# Allegro board IMC-IO_A-IN_A2.brd (continued)
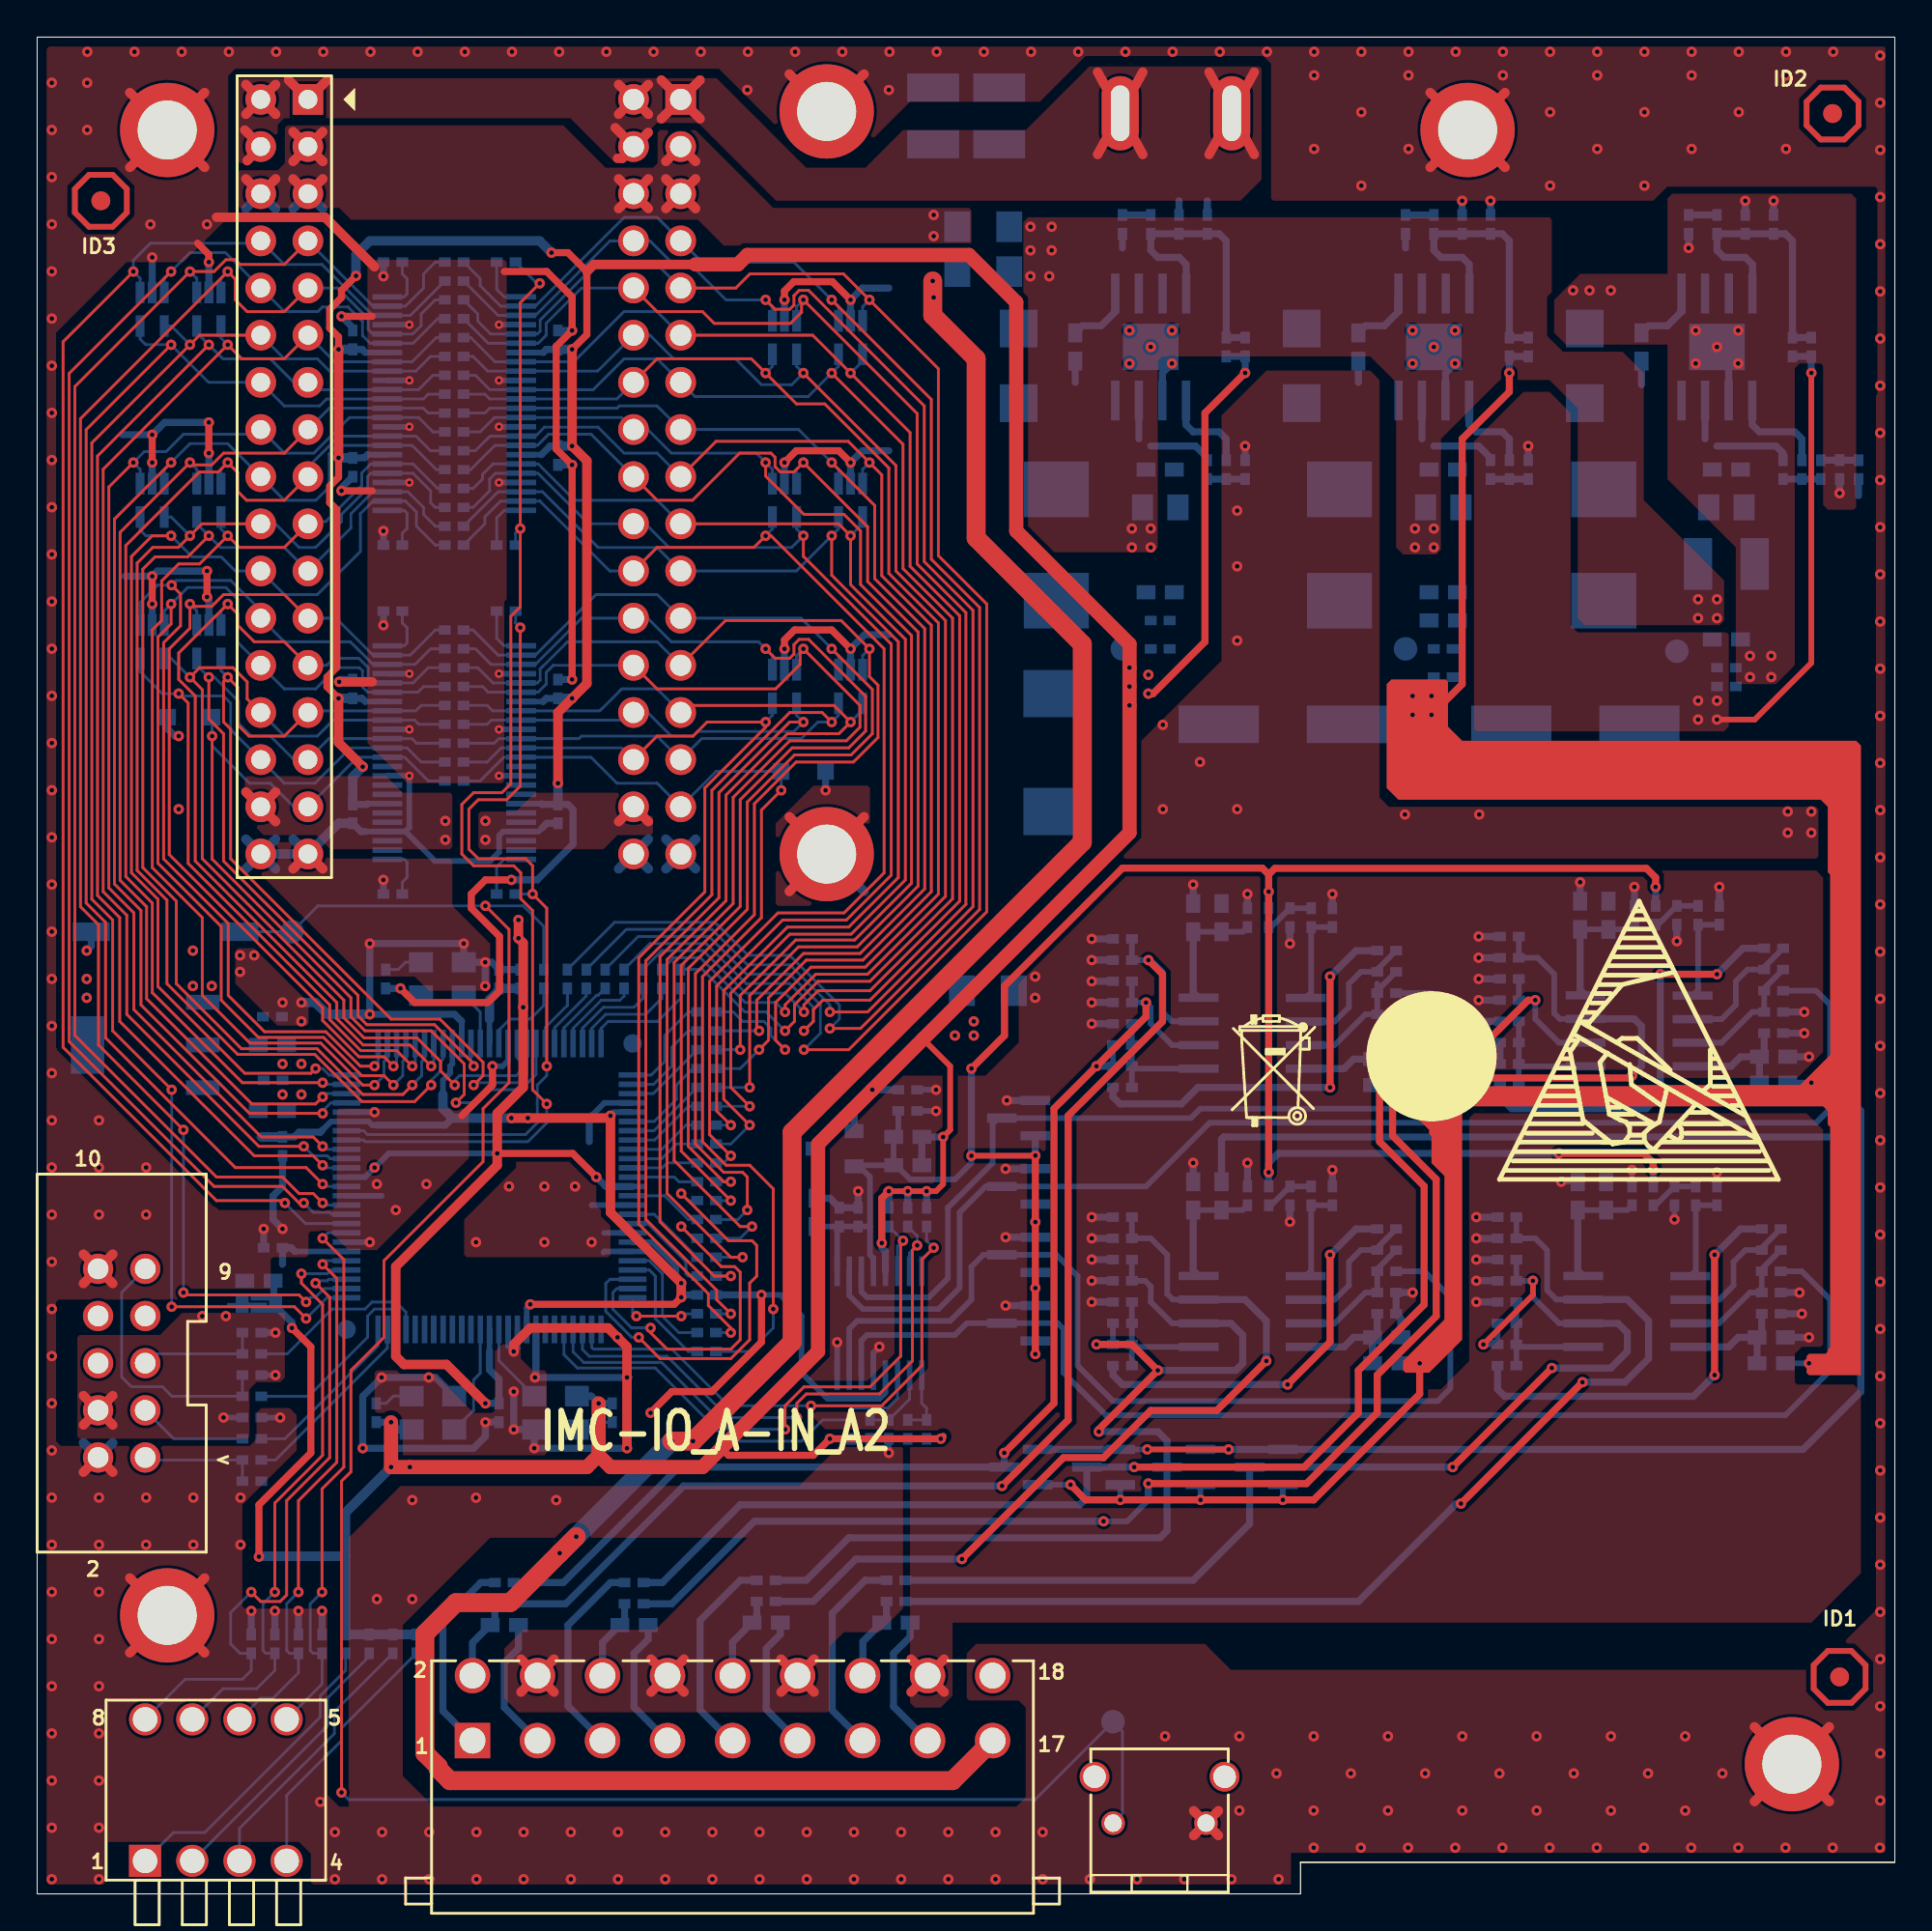
[diagram p0: board, top side]
## Copper pours and planes (outline as drawn; the poured copper is in the pictures) (continued)
VDD_-12V on BOTTOM: 63.5,37.97 63.25,38.23 63.25,41.15 63.37,41.27 97.03,41.27 97.54,41.78 97.54,54.99 97.28,55.24 85.47,55.24 85.34,55.12 85.34,53.21 85.09,52.96 84.45,52.96 84.2,53.21 84.2,55.5 81.79,55.5 80.9,54.61 64.39,54.61 64.26,54.48 64.26,53.21 64.14,53.09 63.5,53.09 63.37,53.21 63.37,55.63 63.63,55.88 80.39,55.88 83.95,59.44 83.95,64.26 84.07,64.39 88.39,64.39 88.52,64.26 88.52,61.98 88.65,61.85 91.06,61.85 91.19,61.98 91.19,67.94 91.31,68.07 93.47,68.07 93.6,67.94 93.6,56.77 93.98,56.39 98.42,56.39 98.55,56.26 98.55,40.39 85.09,40.39 84.96,40.26 84.96,38.1 84.07,38.1 83.95,38.23 83.95,40.39 64.39,40.39 64.26,40.26 64.26,37.97
VDD_-12V on BOTTOM: 82.04,82.93 84.84,82.93 85.34,83.44 85.34,86.87 85.22,87 82.17,87 81.79,86.61 81.79,83.19
(no net) on TOP: 95.38,27.94 95.25,28.07 95.25,28.96 95.38,29.08 96.27,29.08 96.39,29.21 96.39,42.16 96.14,42.42 76.96,42.42 76.71,42.16 76.71,29.84 74.93,28.07 73.66,28.07 73.53,28.19 73.53,29.21 74.93,30.61 74.93,41.15 74.3,41.78 74.3,43.81 74.55,44.07 95.25,44.07 96.39,45.21 96.39,58.55 96.01,58.93 73.28,58.93 72.64,59.56 72.64,65.15 72.9,65.41 75.82,65.41 75.95,65.28 75.95,62.87 76.71,62.1 97.92,62.1 98.17,61.85 98.17,27.94
N12573805 on BOTTOM: 58.04,81.66 51.94,81.66 51.56,81.28 51.56,74.42 51.94,74.04 57.28,74.04 57.4,74.17 57.4,78.23 58.29,79.12 58.29,81.41
N12573945 on BOTTOM: 73.28,81.66 67.18,81.66 66.93,81.41 66.93,74.3 67.18,74.04 72.52,74.04 72.64,74.17 72.64,78.23 73.53,79.12 73.53,81.41
N12574055 on BOTTOM: 88.52,81.66 82.42,81.66 82.04,81.28 82.04,74.42 82.42,74.04 87.76,74.04 87.88,74.17 87.88,78.23 88.77,79.12 88.77,81.41

Small or netless copper shapes (teardrops, artwork), in the pictures only: 14 on TOP

## Text on the board
Ref Des/Silkscreen Bottom: A | B | ID4 | ID5 | ID6
User.Comments: CR_1_2 | CR_1_3 | CR_1_4 | CR_UNNAMED_2 | CR_1_10 | CR_UNNAMED_4 | CR_UNNAMED_3 | CR_MQ_1 | CR_UNNAMED_17 | CR_UNNAMED_12 | CR_2_1 | CR_UNNAMED_11 | CR_2_2
Ref Des/Silkscreen Top: ID3 | ID2 | ID1 | IMC-IO_A-IN_A2
DEVICE_TYPE_BOTTOM: If the angle of PCB board outline is circular,please use this kind of break out area | If not use it,please delete it before you gerber out | If the angle of PCB board outline is right angle,please use this kind of break out area | AS usual,please use the 0.8MM stamp Via | AS usual,please use the 0.3MM stamp Via
DIMENSION: 1 | CON4 | SW2 | C6 | C7 | J1 | C2 | 10 | 9 | 8 | 7 | 2 | v | 11 | 12 | 32 | 25 | 16 | 17 | 24 | A1 | B1 | CON2 | CON20 | SW1 | H3 | H1 | H4 | H2 | CON6 | 53 | 110 | 52 | 111 | 220PIN | 162 | 163 | 220 | CON_46F-1202YGD2 | CON3 | LAN8710A | U7 | U6 | 7.00 | 16.00 | 39.30 | 1.90 | 16.80 | 120.00 | 112.00 | 78.30 | 46.80 | 30.30 | 28.40 | 5.50 | Designator30 | 69.20 | 25.97 | 4.00 | 105.00 | 6.50 | Designator21
DEVICE_TYPE_TOP: 1 | CON4 | SW2 | C6 | C7 | J1 | C2 | 10 | 9 | 8 | 7 | 2 | v | 11 | 12 | 32 | 25 | 16 | 17 | 24 | A1 | B1 | CON2 | CON20 | SW1 | H3 | H1 | H4 | H2 | CON6 | 53 | 110 | 52 | 111 | 220PIN | 162 | 163 | 220 | CON_46F-1202YGD2 | CON3 | LAN8710A | U7 | U6 | 7.00 | 16.00 | 39.30 | 1.90 | 16.80 | 120.00 | 112.00 | 78.30 | 46.80 | 30.30 | 28.40 | 5.50 | Designator32 | 69.20 | 25.97 | 4.00 | 105.00 | 6.50 | Designator21
User.13: FIGURE | SIZE | 8.0 | 10.0 | 37.0 | 40.0 | 44.0 | 45.0 | 48.0 | 52.0 | 55.0 | 125.0 | 118.11x39.37 | DRILL CHART: TOP to BOTTOM | ALL UNITS ARE IN MILS | PLATED | QTY | 14 | 686 | 2 | 34 | 10 | 8 | 18 | 6
